# Altium PCB STM32F405.PcbDoc (part 2 of 5)
Units mm, origin at the board's own origin, x right, y up, seen from the top; angles counter-clockwise.
Board outline 430.02 x 145.03 mm, 2 copper layers (Top Layer, Bottom Layer); 243 components, 243 nets, 1346 pads, 2611 vias.
Unrouted connection lines stored in the file: 128.
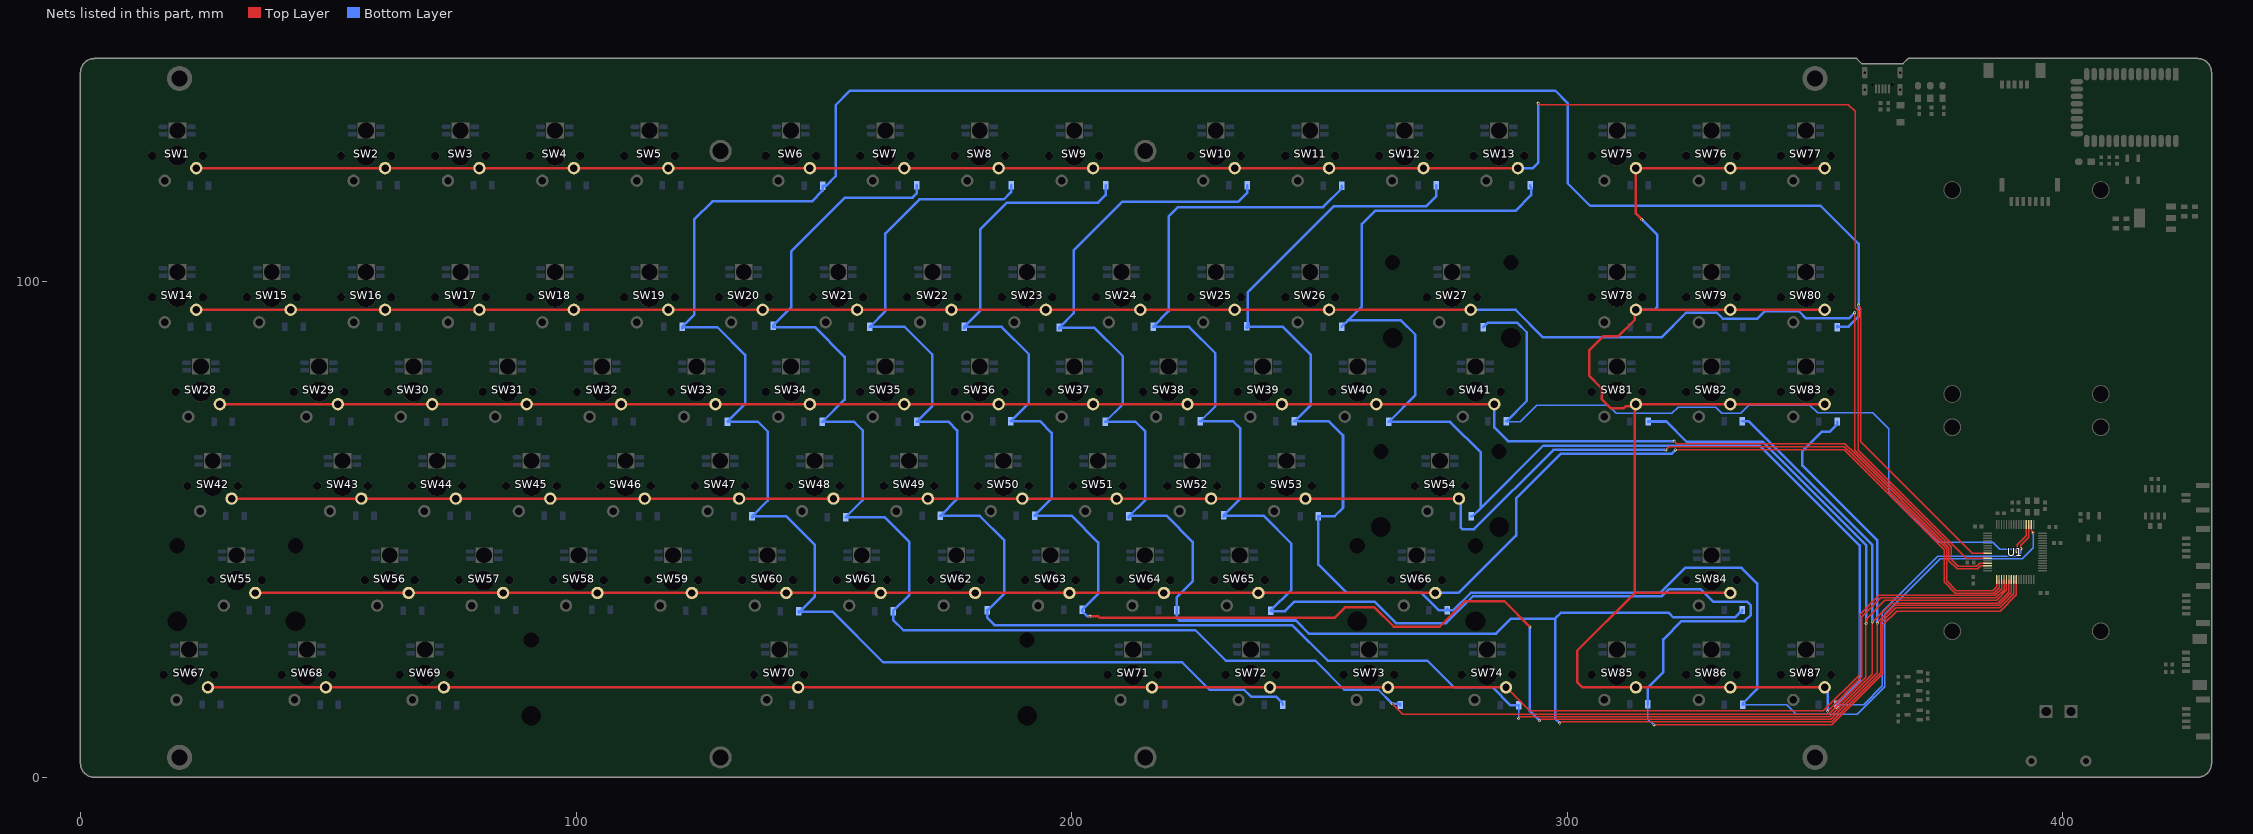
[diagram p2: the nets of this part, all layers, seen from the top]

## Via types
v1: diameter 0.61, hole 0.305, Top Layer to Bottom Layer, tented both sides, 2611 vias

## Nets (pads, with @x,y where several pads share a name; then routed paths per layer and width w, separated by ;. In a path a pad name is that pad's centre, name@x,y a point inside that pad or via, vN(x,y) a via of type N, cw(c..) or ccw(c..) an arc to the next point about the centre after c; other vN are vias at no path point) (continued)
KEY_POS6: D*6.2 D*19.2 D*33.2 D*47.2 D*60.2 D*72.2 D*80.2 U1.25 | length 576.8
  Top Layer w0.254: v1(358.8,95.288) 358.8,95.098 359.283,94.615 359.283,67.672 381.762,45.194 U1.25@384.848,45.194
  Bottom Layer w0.508: D*72.2@242.575,14.66 242.575,14.952 241.271,16.256 236.22,16.256 234.823,17.653 227.838,17.653 222.293,23.198 161.968,23.198 151.765,33.401 145.094,33.401 144.932,33.239 D*60.2@144.932,33.531 145.291,33.531 148.209,36.449 148.209,46.863 142.367,52.705 135.869,52.705 135.508,52.344 D*47.2@135.508,52.636 138.684,55.812 138.684,69.723 136.659,71.748 D*33.2@130.565,71.748 134.112,75.296 134.112,85.217 128.524,90.805 121.615,90.805 121.385,90.575 D*19.2@121.385,90.867 123.816,93.298 123.816,112.513 127.508,116.205 147.574,116.205 149.751,118.382 D*6.2@149.751,119.386 150.501,119.386 152.4,121.285 152.4,135.636 155.321,138.557 297.587,138.557 300.101,136.043 300.101,119.862 304.647,115.316 351.129,115.316 358.8,107.645 v1(358.8,95.288) 358.8,92.955 356.777,90.932 354.639,90.932 354.455,91.116 D*80.2@354.455,90.824
KEY_POS7: D*7.2 D*20.2 D*34.2 D*48.2 D*61.2 D*73.2 D*81.2 U1.37 | length 464.4
  Top Layer w0.254: v1(264.67,14.866) 266.862,12.675 352.826,12.675 360.299,20.148 360.299,30.988 v1(360.315,31.004) 360.315,31.893 364.109,35.687 386.651,35.687 388.648,37.684 U1.37@388.648,39.894
  Bottom Layer w0.508: D*7.2@168.737,119.419 168.737,117.81 167.894,116.967 154.305,116.967 143.383,106.045 143.383,94.743 D*20.2@139.754,91.114 139.754,90.822 148.192,90.822 154.178,84.836 154.178,76.197 D*34.2@149.677,71.695 156.143,71.695 157.861,69.977 157.861,55.92 D*48.2@154.418,52.478 162.279,52.478 167.259,47.498 167.259,36.789 D*61.2@164.001,33.531 164.001,31.706 166.046,29.661 224.974,29.661 231.14,23.495 249.174,23.495 255.016,17.653 261.884,17.653 v1(264.67,14.866) 266.353,14.866 D*73.2@266.353,14.574 ; D*81.2@316.338,71.781 320.014,71.781 324.129,67.666 339.496,67.666 360.315,46.847 v1(360.315,31.004)
KEY_POS8: D*8.2 D*21.2 D*35.2 D*49.2 D*62.2 D*74.2 D*82.2 U1.38 | length 427.1
  Top Layer w0.254: v1(290.195,11.811) 290.576,12.192 353.025,12.192 361.569,20.736 v1(361.569,31.369) 361.696,31.369 365.481,35.154 386.928,35.154 389.148,37.374 U1.38@389.148,39.894
  Bottom Layer w0.254: v1(290.195,11.811) 290.195,14.487 D*74.2@290.206,14.498
  Bottom Layer w0.508: D*8.2@187.796,119.429 187.796,118.073 186.309,116.586 169.291,116.586 162.433,109.728 162.433,94.054 D*21.2@159.276,90.896 166.279,90.896 171.831,85.344 171.831,74.825 D*35.2@168.77,71.765 175.123,71.765 176.911,69.977 176.911,56.111 D*49.2@173.532,52.732 181.456,52.732 186.436,47.752 186.436,37.102 D*62.2@182.997,33.663 182.997,32.141 184.436,30.702 244.507,30.702 251.714,23.495 271.78,23.495 277.106,18.169 284.92,18.169 288.59,14.498 D*74.2@290.206,14.498 ; D*82.2@335.374,71.844 336.588,71.844 361.569,46.863 v1(361.569,31.369)
KEY_POS9: D*9.2 D*22.2 D*36.2 D*50.2 D*63.2 D*83.2 U1.39 | length 422.2
  Top Layer w0.254: v1(294.386,11.43) 294.665,11.709 353.225,11.709 362.585,21.069 v1(362.585,31.115) 362.585,31.162 366.094,34.671 387.128,34.671 389.644,37.187 389.644,39.889 U1.39@389.648,39.894
  Top Layer w0.508: v1(203.708,32.512) 205.333,32.512 205.675,32.17 253.023,32.17 255.143,34.29 261.086,34.29 264.998,30.378 274.281,30.378 279.411,35.509 287.325,35.509 v1(292.481,30.353)
  Bottom Layer w0.508: v1(203.708,32.512) 203.115,32.512 202.137,33.49 D*63.2@202.137,33.782 205.359,37.004 205.359,47.371 199.952,52.778 D*50.2@192.531,52.778 195.961,56.208 195.961,69.469 193.58,71.85 D*36.2@187.765,71.85 191.389,75.474 191.389,85.344 185.864,90.869 178.608,90.869 178.313,90.575 D*22.2@178.313,90.867 181.61,94.164 181.61,110.617 186.944,115.951 205.359,115.951 206.856,117.448 D*9.2@206.856,119.426 ; v1(292.481,30.353) 292.481,13.335 v1(294.386,11.43) ; D*83.2@354.475,71.778 354.475,71.181 353.016,69.723 351.409,69.723 347.472,65.786 347.472,62.865 362.585,47.752 v1(362.585,31.115)
KEY_POS10: D*10.2 D*23.2 D*37.2 D*51.2 D*64.2 D*84.2 U1.40 | length 399
  Top Layer w0.254: v1(298.496,10.916) 298.806,11.227 353.425,11.227 363.245,21.047 363.245,31.14 366.268,34.163 387.303,34.163 390.148,37.009 U1.40@390.148,39.894
  Bottom Layer w0.508: D*10.2@235.457,119.442 235.457,117.982 233.553,116.078 210.185,116.078 200.406,106.299 200.406,93.621 D*23.2@197.536,90.751 197.536,90.459 197.755,90.678 204.597,90.678 210.312,84.963 210.312,75.246 D*37.2@206.795,71.728 212.879,71.728 214.884,69.723 214.884,55.977 D*51.2@211.536,52.63 211.536,52.337 211.968,52.769 219.138,52.769 224.409,47.498 224.409,39.497 221.242,36.33 D*64.2@221.242,33.726 221.242,32.123 221.742,31.623 245.237,31.623 247.904,28.956 275.507,28.956 275.539,28.988 285.655,28.988 288.671,32.004 297.561,32.004 ; v1(298.496,10.916) 297.561,11.851 297.561,32.004 ; D*84.2@335.371,33.745 335.371,33.453 335.066,33.149 334.774,33.149 333.884,32.258 321.41,32.258 320.521,33.147 298.704,33.147 297.561,32.004
KEY_POS11: D*11.2 D*24.2 D*38.2 D*52.2 D*65.2 D*85.2 U1.41 | length 387.7
  Top Layer w0.254: v1(317.5,10.541) 353.422,10.541 363.728,20.847 363.728,30.734 366.522,33.528 387.35,33.528 390.648,36.826 U1.41@390.648,39.894
  Bottom Layer w0.254: D*85.2@316.302,14.686 316.302,11.739 v1(317.5,10.541)
  Bottom Layer w0.508: D*65.2@240.191,33.617 240.191,33.636 D*65.2@240.275,33.721 ; D*11.2@254.474,119.396 254.474,119.104 254.635,118.943 250.754,115.062 221.488,115.062 219.583,113.157 219.583,94.036 D*24.2@216.436,90.89 223.689,90.89 228.981,85.598 228.981,74.841 D*38.2@225.964,71.824 232.595,71.824 234.061,70.358 234.061,56.211 D*52.2@230.691,52.841 230.691,52.549 230.912,52.769 238.696,52.769 244.348,47.117 244.348,37.793 D*65.2@240.275,33.721 ; D*85.2@316.302,14.686 316.302,18.106 319.405,21.209 319.405,27.813 323.088,31.496 335.788,31.496 337.058,32.766 337.058,34.671 336.296,35.433 329.438,35.433 326.898,37.973 320.574,37.973 319.075,36.474 280.949,36.474 275.59,31.115 265.43,31.115 261.112,35.433 244.983,35.433 243.078,33.528 240.468,33.528 D*65.2@240.275,33.721
KEY_POS12: D*12.2 D*25.2 D*39.2 D*53.2 D*66.2 D*86.2 U1.2 | length 336.5
  Top Layer w0.254: U1.2@393.648,50.993 393.648,49.836 394.017,49.466 v1(394.017,49.276)
  Bottom Layer w0.254: D*86.2@335.427,14.594 344.347,14.594 346.266,12.675 358.543,12.675 364.109,18.241 364.109,32.893 375.31,44.094 391.82,44.094 394.017,46.291 v1(394.017,49.276)
  Bottom Layer w0.508: D*12.2@273.62,119.442 273.62,117.283 271.526,115.189 252.857,115.189 235.512,97.844 235.512,91.115 D*25.2@235.357,90.959 235.357,90.667 235.559,90.87 242.632,90.87 248.285,85.217 248.285,75.14 D*39.2@244.939,71.794 251.929,71.794 254.762,68.961 254.762,54.356 253.069,52.663 D*53.2@249.813,52.663 249.813,42.922 255.53,37.205 270.627,37.205 274.177,33.655 D*66.2@275.793,33.655 ; D*66.2@275.793,33.947 276.021,33.719 277.051,33.719 280.543,37.211 318.77,37.211 323.793,42.234 335.21,42.234 338.328,39.116 338.328,17.787 335.427,14.886 D*86.2@335.427,14.594
KEY_POS13: D*13.2 D*26.2 D*40.2 D*54.2 D*87.2 U1.3 | length 319.5
  Top Layer w0.254: v1(391.541,46.101) 391.541,46.816 393.148,48.423 U1.3@393.148,50.993
  Bottom Layer w0.254: D*87.2@354.496,14.732 D*87.2@354.42,14.657 359.842,14.657 363.626,18.441 363.626,33.426 374.777,44.577 390.824,44.577 391.541,45.294 v1(391.541,46.101)
  Bottom Layer w0.508: D*26.2@254.472,90.903 255.771,92.202 ; D*54.2@280.657,52.702 280.949,52.702 282.575,54.328 ; D*13.2@292.563,119.416 292.563,119.124 292.735,118.951 292.735,117.475 289.56,114.3 261.239,114.3 258.572,111.633 258.572,95.003 255.771,92.202 ; D*87.2@354.496,14.732 359.004,19.24 359.004,46.761 338.836,66.929 295.176,66.929 282.575,54.328 ; 255.771,92.202 266.446,92.202 269.367,89.281 269.367,77.094 D*40.2@263.989,71.715 276.392,71.715 282.575,65.532 282.575,54.328
KEY_POS14: D*27.2 D*41.2 U1.4 | length 162.8
  Top Layer w0.254: v1(390.779,45.466) 390.779,46.863 392.648,48.732 U1.4@392.648,50.993
  Bottom Layer w0.254: D*41.2@287.723,71.804 287.773,71.755 290.576,71.755 293.878,75.057 308.229,75.057 309.88,73.406 321.132,73.406 322.402,74.676 329.934,74.676 331.204,73.406 335.026,73.406 336.677,75.057 348.996,75.057 350.52,73.533 361.696,73.533 364.871,70.358 364.871,57.23 374.73,47.371 385.871,47.371 387.268,45.974 390.271,45.974 v1(390.779,45.466)
  Bottom Layer w0.508: D*27.2@283.041,90.784 283.951,91.694 289.941,91.694 291.846,89.789 291.846,75.927 D*41.2@287.723,71.804
KEY_SEG1: SW1.1 SW2.1 SW3.1 SW4.1 SW5.1 SW6.1 SW7.1 SW8.1 SW9.1 SW10.1 SW11.1 SW12.1 SW13.1 U1.27 | length 452
  Top Layer w0.254: v1(294.132,136.017) 294.411,135.738 356.768,135.738 358.14,134.366 358.14,94.742 358.775,94.107 358.775,65.929 358.953,65.751 378.003,46.701 380.51,44.194 U1.27@384.848,44.194
  Top Layer w0.508: SW1.1@23.359,122.905 SW2.1@61.459,122.905 SW3.1@80.509,122.905 SW4.1@99.559,122.905 SW5.1@118.609,122.905 SW6.1@147.184,122.905 SW7.1@166.234,122.905 SW8.1@185.284,122.905 SW9.1@204.334,122.905 SW10.1@232.909,122.905 SW11.1@251.959,122.905 SW12.1@271.009,122.905 SW13.1@290.059,122.905
  Bottom Layer w0.508: SW13.1@290.059,122.905 290.344,123.19 290.629,122.905 293.085,122.905 294.132,123.952 v1(294.132,136.017)
KEY_SEG2: SW14.1 SW15.1 SW16.1 SW17.1 SW18.1 SW19.1 SW20.1 SW21.1 SW22.1 SW23.1 SW24.1 SW25.1 SW26.1 SW27.1 U1.29 | length 407.1
  Top Layer w0.254: v1(358.013,93.726) 358.013,66.008 358.47,65.551 377.52,46.501 377.52,43.993 378.943,42.57 382.661,42.57 383.284,43.194 U1.29@384.848,43.194
  Top Layer w0.508: SW14.1@23.359,94.329 SW15.1@42.409,94.329 SW16.1@61.459,94.329 SW17.1@80.509,94.329 SW18.1@99.559,94.329 SW19.1@118.609,94.329 SW20.1@137.659,94.329 SW21.1@156.709,94.329 SW22.1@175.759,94.329 SW23.1@194.809,94.329 SW24.1@213.859,94.329 SW25.1@232.909,94.329 SW26.1@251.959,94.329 SW27.1@280.534,94.329
  Bottom Layer w0.508: SW27.1@280.534,94.329 289.592,94.329 295.148,88.773 319.024,88.773 323.977,93.726 330.2,93.726 331.387,92.539 338.391,92.539 339.832,93.98 346.837,93.98 348.22,92.597 356.884,92.597 v1(358.013,93.726)
KEY_SEG3: SW28.1 SW29.1 SW30.1 SW31.1 SW32.1 SW33.1 SW34.1 SW35.1 SW36.1 SW37.1 SW38.1 SW39.1 SW40.1 SW41.1 U1.30 | length 375
  Top Layer w0.254: v1(321.564,67.818) 322.072,67.31 356.029,67.31 357.988,65.351 377.038,46.301 377.038,43.713 378.663,42.088 382.861,42.088 383.462,42.689 384.844,42.689 U1.30@384.848,42.694
  Top Layer w0.508: SW28.1@28.122,75.279 SW29.1@51.934,75.279 SW30.1@70.984,75.279 SW31.1@90.034,75.279 SW32.1@109.084,75.279 SW33.1@128.134,75.279 SW34.1@147.184,75.279 SW35.1@166.234,75.279 SW36.1@185.284,75.279 SW37.1@204.334,75.279 SW38.1@223.384,75.279 SW39.1@242.434,75.279 SW40.1@261.484,75.279 SW41.1@285.297,75.279
  Bottom Layer w0.508: SW41.1@285.297,75.279 285.297,70.557 288.036,67.818 v1(321.564,67.818)
KEY_SEG4: SW42.1 SW43.1 SW44.1 SW45.1 SW46.1 SW47.1 SW48.1 SW49.1 SW50.1 SW51.1 SW52.1 SW53.1 SW54.1 U1.33 | length 386.5
  Top Layer w0.254: v1(319.913,66.04) 320.573,66.7 355.956,66.7 357.505,65.151 376.555,46.101 376.555,39.624 378.536,37.643 385.877,37.643 386.648,38.414 U1.33@386.648,39.894
  Top Layer w0.508: SW42.1@30.49,56.23 SW43.1@56.697,56.229 ; SW43.1@56.697,56.229 SW44.1@75.747,56.229 SW45.1@94.797,56.229 SW46.1@113.847,56.229 SW47.1@132.897,56.229 SW48.1@151.947,56.229 SW49.1@170.997,56.229 SW50.1@190.047,56.229 SW51.1@209.097,56.229 SW52.1@228.147,56.229 SW53.1@247.197,56.229 SW54.1@278.153,56.229
  Bottom Layer w0.508: SW54.1@278.153,56.229 278.534,55.848 278.534,50.359 278.832,50.061 281.235,50.061 297.214,66.04 v1(319.913,66.04)
KEY_SEG5: SW55.1 SW56.1 SW57.1 SW58.1 SW59.1 SW60.1 SW61.1 SW62.1 SW63.1 SW64.1 SW65.1 SW66.1 U1.34 | length 386.1
  Top Layer w0.254: v1(321.818,66.04) 355.934,66.04 356.845,65.129 376.072,45.901 376.072,39.424 378.336,37.16 386.077,37.16 387.148,38.232 U1.34@387.148,39.894
  Top Layer w0.508: SW55.1@35.265,37.179 SW56.1@66.222,37.179 SW57.1@85.272,37.179 SW58.1@104.322,37.179 SW59.1@123.372,37.179 SW60.1@142.422,37.179 SW61.1@161.472,37.179 SW62.1@180.522,37.179 SW63.1@199.572,37.179 SW64.1@218.622,37.179 SW65.1@237.672,37.179 SW66.1@273.39,37.179
  Bottom Layer w0.508: SW66.1@273.39,37.179 278.098,37.179 289.687,48.768 289.687,56.261 298.679,65.253 321.031,65.253 v1(321.818,66.04)
KEY_SEG6: SW67.1 SW68.1 SW69.1 SW70.1 SW71.1 SW72.1 SW73.1 SW74.1 U1.35 | length 383
  Top Layer w0.254: SW74.1@287.657,18.143 292.414,13.386 351.669,13.386 359.004,20.721 359.004,32.788 362.893,36.678 386.277,36.678 387.648,38.049 U1.35@387.648,39.894
  Top Layer w0.508: SW67.1@25.719,18.143 SW68.1@49.531,18.143 SW69.1@73.344,18.143 73.351,18.136 144.796,18.136 SW70.1@144.803,18.129 144.817,18.143 SW71.1@216.219,18.143 SW72.1@240.032,18.143 SW73.1@263.844,18.143 SW74.1@287.657,18.143
KEY_SEG7: SW75.1 SW76.1 SW77.1 SW78.1 SW79.1 SW80.1 SW81.1 SW82.1 SW83.1 SW84.1 SW85.1 SW86.1 SW87.1 U1.36 | length 371.7
  Top Layer w0.254: v1(352.552,13.335) 359.486,20.269 359.486,32.382 363.274,36.17 386.451,36.17 388.148,37.867 U1.36@388.148,39.894
  Top Layer w0.508: v1(315.087,112.522) 313.872,113.737 SW75.1@313.872,122.905 SW76.1@332.922,122.905 SW77.1@351.972,122.905 ; SW84.1@332.922,37.179 313.658,37.179 ; SW87.1@351.972,18.129 SW86.1@332.922,18.129 SW85.1@313.872,18.129 303.054,18.129 302.006,19.177 302.006,25.527 313.658,37.179 ; SW83.1@351.972,75.279 SW82.1@332.922,75.279 SW81.1@313.872,75.279 SW81.1@313.658,75.066 ; SW80.1@351.972,94.329 SW79.1@332.922,94.329 SW78.1@313.872,94.329 313.678,94.136 313.678,92.317 310.388,89.027 307.34,89.027 304.419,86.106 304.419,81.026 306.959,78.486 306.959,76.327 308.864,74.422 311.404,74.422 311.88,74.898 313.491,74.898 SW81.1@313.658,75.066 ; 313.658,37.179 SW81.1@313.658,75.066
  Bottom Layer w0.508: SW78.1@313.872,94.329 317.595,94.329 318.135,94.869 318.135,109.474 v1(315.087,112.522) ; SW87.1@351.972,18.129 352.552,17.549 v1(352.552,13.335)